# Altium PCB Bran_Main_Assay_PCB_v2.PcbDoc (part 14 of 15)
Units mil, origin at the board's own origin, x right, y up, seen from the top; angles counter-clockwise.
Board outline 3608.46 x 1899.79 mil, 6 copper layers (TOP, GND1, Singal, POWER, GND2, BOTTOM), stack 31.508 mil thick; 363 components, 288 nets, 1386 pads, 975 vias.
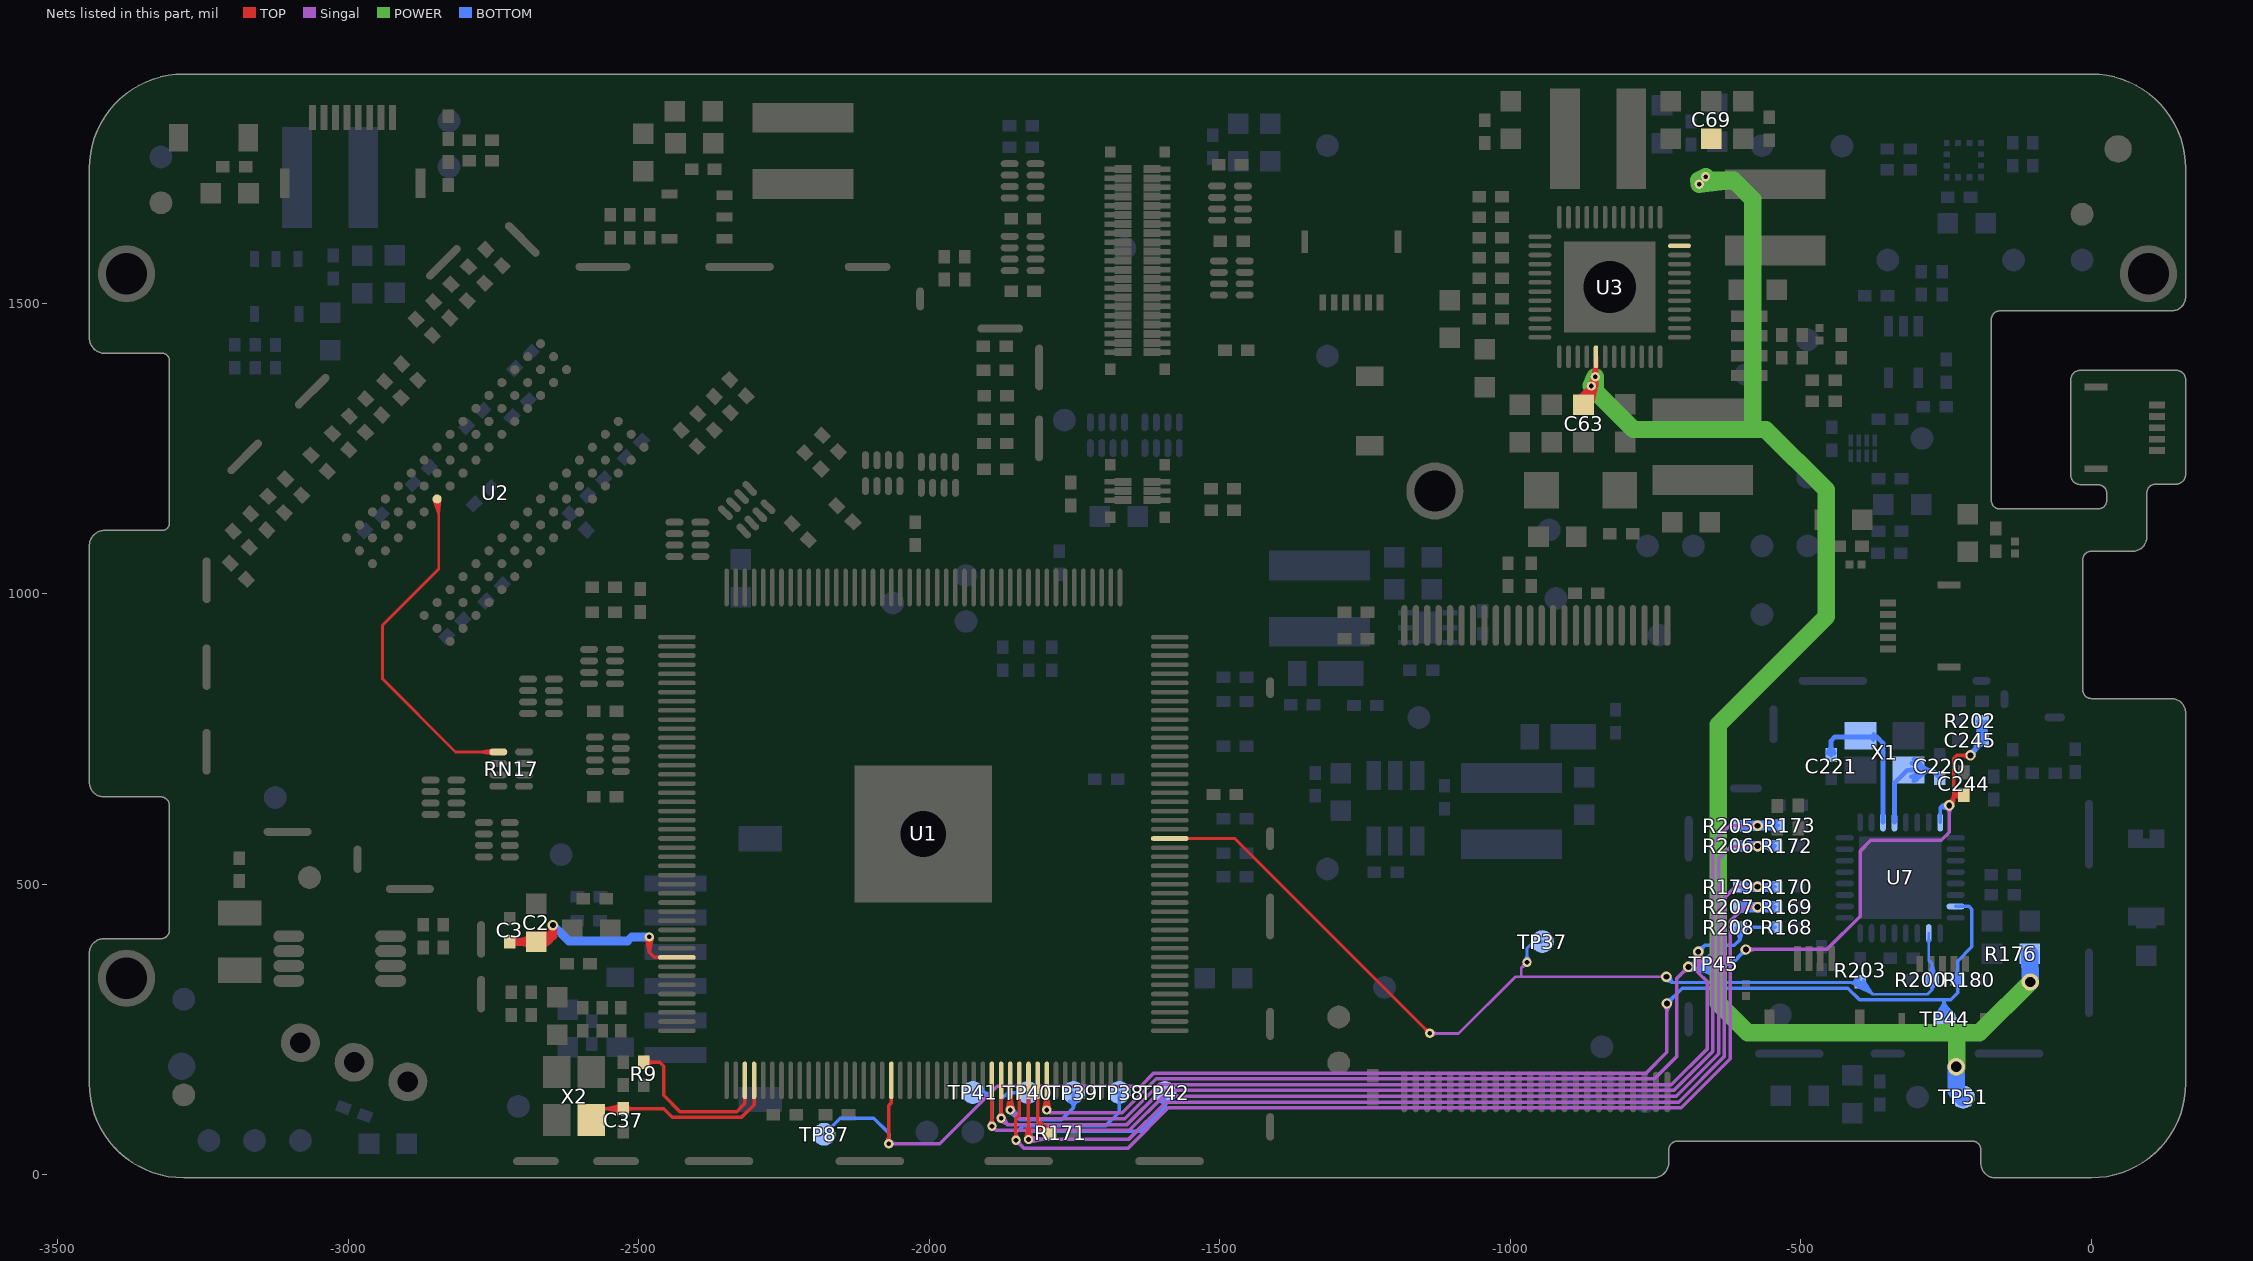
[diagram p18: the nets of this part, all layers, seen from the top]

## Via types
v1: diameter 16, hole 8, TOP to BOTTOM, tented both sides, 431 vias
v2: diameter 18, hole 10, TOP to BOTTOM, tented both sides, 257 vias
v3: diameter 22, hole 12, TOP to BOTTOM, tented both sides, 194 vias
v4: diameter 30, hole 18, TOP to BOTTOM, tented both sides, 69 vias
v5: diameter 24, hole 13, TOP to BOTTOM, tented both sides, 11 vias
v6: diameter 19.68, hole 7.87, TOP to BOTTOM, 9 vias
v7: diameter 22, hole 2, TOP to BOTTOM, tented both sides, 2 vias
v8: diameter 17.99, hole 10, TOP to BOTTOM, tented both sides, 1 vias
v9: diameter 20, hole 10, TOP to BOTTOM, tented both sides, 1 vias

## Nets (pads, with @x,y where several pads share a name; then routed paths per layer and width w, separated by ;. In a path a pad name is that pad's centre, name@x,y a point inside that pad or via, vN(x,y) a via of type N, cw(c..) or ccw(c..) an arc to the next point about the centre after c; other vN are vias at no path point) (continued)
VRP: C2.2 C3.2 U1.80 | length 963.4
  TOP w6: v1@-2487,409.23 -2482.43,383.63 ; v1@-2486.91,408.59 -2482.79,401.32 ; v1@-2486.84,408.3 -2481.97,400.06 ; v1@-2485.55,406.1 cw(c-2493.09,398.56) -2482.43,398.56 ; -2482.43,396.57 cw(c-2468.95,396.57) v1@-2478.48,406.1 ; v1@-2477.4,407.7 -2482.79,401.32 ; v1@-2477.18,408.35 -2481.97,400.06 ; v1@-2477.05,409.07 -2482.43,383.63 ; U1.80@-2463.18,374.32 -2473.44,374.32 ; U1.80@-2434.64,374.32 -2473.44,374.32 ; -2482.79,401.32 v1(-2482.02,409.63) ; -2482.43,383.63 v1(-2482.02,409.63) ; v1(-2482.02,409.63) -2481.97,400.06 ; v1(-2482.02,409.63) -2482.43,409.22 -2482.43,383.31 -2473.44,374.32
  TOP w15: C3.2@-2721.94,401.31 -2676.94,401.31 -2658.63,401.31 ; -2702.06,401.31 ccw(c-2702.06,426.6) C2.2@-2684.17,408.72 ; -2701.16,401.31 cw(c-2701.16,377.27) C2.2@-2684.17,394.27 ; C2.2@-2680.38,411.11 -2694.94,400.49 ; C2.2@-2680.11,391.78 -2695.51,402.17 ; C2.2@-2679.39,411.41 -2695.51,402.17 ; C2.2@-2679.29,391.55 -2694.94,400.49 ; C2.2@-2678.78,411.54 -2647.94,411.99 ; C2.2@-2671.92,392.59 -2647.94,411.99 ; C2.2@-2671.13,409.89 ccw(c-2660.8,424.84) -2647.95,411.99 ; C2.2@-2668.34,395.99 cw(c-2658.63,389.79) -2658.63,401.31 ; C2.2@-2668.17,406.73 ccw(c-2658.63,412.41) -2658.63,401.31 ; -2695.51,402.17 C2.2@-2676.94,401.49 ; -2694.94,400.49 C2.2@-2676.94,401.49 ; C2.2@-2676.94,401.49 -2658.63,401.31 ; C2.2@-2676.94,401.49 -2658.63,401.31 ; C2.2@-2676.94,401.49 -2647.94,411.99 ; -2658.63,401.31 -2674.19,391.65 -2658.63,401.31 ; -2658.63,401.31 -2674,411.27 -2658.63,401.31 ; -2658.63,401.31 -2647.94,411.99 ; -2647.94,411.99 v2(-2647.94,429.99) -2647.94,411.99
  BOTTOM w15: v2(-2647.94,429.99) -2620.5,402.54 -2519.5,402.54 -2512.41,409.63 ; -2512.41,409.63 v1(-2482.02,409.63) -2512.41,409.63
WE: RN17.1 U2.L3 | length 864.2
  TOP w5: U2.L3@-2852.54,1162.29 -2844.43,1137.12 ; U2.L3@-2852.35,1161.63 -2845.2,1149.43 ; U2.L3@-2851.08,1159.61 cw(c-2867.14,1143.55) -2844.43,1143.55 ; U2.L3@-2847.54,1163.15 cw(c-2855.06,1155.63) -2844.43,1155.63 ; U2.L3@-2841.91,1163.18 -2845.2,1149.43 ; U2.L3@-2841.9,1163.44 -2844.43,1137.12 ; RN17.1@-2754,725.56 ccw(c-2759.98,719.58) -2759.98,728.03 ccw(c-2759.98,736.48) RN17.1@-2754,730.51 ; RN17.1@-2752.66,724.72 -2757.79,728.32 ; RN17.1@-2752.66,731.34 -2757.79,727.74 ; RN17.1@-2752.35,724.63 -2757.79,727.74 ; RN17.1@-2752.35,731.43 -2757.79,728.32 ; RN17.1@-2751.82,724.54 -2772.53,728.03 ; RN17.1@-2751.82,731.52 -2772.53,728.03 ; RN17.1@-2742.03,728.03 -2815.55,728.03 -2941.43,853.91 -2941.43,945.92 -2844.43,1042.92 -2844.43,1160.56 U2.L3@-2847.28,1163.41 ; U2.L3@-2847.28,1163.41 -2844.43,1137.12 ; U2.L3@-2847.28,1163.41 -2845.2,1149.43 ; -2772.53,728.03 RN17.1@-2751.53,728.03 ; -2757.79,727.74 RN17.1@-2751.53,728.03 ; -2757.79,728.32 RN17.1@-2751.53,728.03
WI-FI_EN: R180.1 TP44.1 TP87.1 U1.107 U7.7 | length 3321
  TOP w6: v1@-2074.88,55.01 -2070.43,62.78 ; v1@-2073.55,57.37 ccw(c-2082.09,65.91) -2070.02,65.91 ccw(c-2057.94,65.91) v1@-2066.48,57.37 ; U1.107@-2065.55,134.17 -2065.55,123.83 ; U1.107@-2065.55,162.71 -2065.55,123.83 ; v1@-2065.28,55.45 -2070.43,62.78 ; -2070.43,62.78 v1(-2070.02,53.83) -2070.02,119.37 -2065.55,123.83
  Singal w6: v1(-2070.02,53.83) -1982.14,53.83 -1883.14,152.83 -1636.11,152.83 -1613.62,175.33 -766.14,175.33 -730.46,211 v2(-730.46,295) -729.97,284.26 ; v1@-2066.48,50.3 cw(c-2057.94,41.76) -2057.94,53.83 cw(c-2057.94,65.91) v1@-2066.48,57.37 ; v2@-736.14,293.06 -729.97,284.26 ; v2@-734.71,290.76 cw(c-744.95,280.51) -730.46,280.51 cw(c-715.98,280.51) v2@-726.22,290.76 ; v2@-724.63,293.59 -729.97,284.26
  BOTTOM w6: TP87.1@-2181.1,69.97 -2153.53,97.54 -2095.49,97.54 -2070.02,72.06 v1(-2070.02,53.83) ; v1@-2074.88,55.01 -2070.43,62.78 ; v1@-2073.55,57.37 ccw(c-2082.09,65.91) -2070.02,65.91 ccw(c-2057.94,65.91) v1@-2066.48,57.37 ; v1@-2070.02,51.74 v1(-2070.02,53.83) ; v1@-2065.28,55.45 -2070.43,62.78 ; v2(-730.46,295) -703.96,321.5 -418.96,321.5 -398.96,301.5 -253.46,301.5 ; v2@-730.46,301 ccw(c-730.46,315.49) -720.22,305.24 ccw(c-709.98,295) v2@-724.46,295 ; TP44.1@-268.24,271.39 -254.92,292.5 ; TP44.1@-267.25,274.4 -250.95,290.85 ; TP44.1@-263.04,280.2 ccw(c-281.94,301.5) -253.46,301.5 ; TP44.1@-262.6,268.75 -254.92,292.5 ; TP44.1@-262.25,270.64 -250.95,290.85 ; TP44.1@-259.06,275.71 ccw(c-270.1,288.15) -253.46,288.15 ; TP44.1@-256.65,267.6 -254.92,292.5 ; TP44.1@-256.6,268.39 -250.95,290.85 ; -253.46,290.35 ccw(c-237.03,290.35) TP44.1@-246.08,276.63 ; TP44.1@-252.46,256.4 TP44.1@-251.97,255.91 ; TP44.1@-247.39,268.71 -254.92,292.5 ; TP44.1@-247.29,267.99 -250.95,290.85 ; TP44.1@-242.78,281.64 cw(c-229.67,301.5) -253.46,301.5 ; TP44.1@-241.88,271.22 -254.92,292.5 ; TP44.1@-241.47,269.72 -250.95,290.85 ; TP44.1@-237.01,275.12 -254.92,292.5 ; R180.1@-236.8,334.39 -230.71,323.76 ; R180.1@-236.8,337.61 -230.71,348.24 ; R180.1@-236.63,333.79 -229.59,323.76 ; R180.1@-236.63,338.21 -229.59,348.24 ; TP44.1@-236.15,273.04 -250.95,290.85 ; R180.1@-234.99,331.16 cw(c-246.67,319.48) -230.15,319.48 cw(c-213.63,319.48) R180.1@-225.31,331.16 ; R180.1@-234.99,340.84 ccw(c-246.67,352.52) -230.15,352.52 ccw(c-213.63,352.52) R180.1@-225.31,340.84 ; U7.7@-233.54,462.09 -210.56,462.09 ; R180.1@-223.67,333.79 -230.71,323.76 ; R180.1@-223.67,338.21 -230.71,348.24 ; R180.1@-223.5,334.39 -229.59,323.76 ; R180.1@-223.5,337.61 -229.59,348.24 ; U7.7@-222.72,462.09 -210.56,462.09 ; -2070.43,62.78 v1(-2070.02,53.83) ; -254.92,292.5 TP44.1@-251.97,267.72 ; -253.46,301.5 -241.96,301.5 -230.15,313.32 R180.1@-230.15,336 ; -253.46,301.5 -253.46,269.21 TP44.1@-251.97,267.72 ; TP44.1@-251.97,267.72 -250.95,290.85 ; -230.71,323.76 R180.1@-230.15,336 ; -230.71,348.24 R180.1@-230.15,336 ; R180.1@-230.15,336 -229.59,348.24 ; R180.1@-230.15,336 -229.59,323.76 ; R180.1@-230.15,336 -230.15,367.99 -205.46,392.68 -205.46,457 -210.56,462.09
WIFI_3V3: C63.2 C69.2 R176.1 TP51.1 U3.11 U3.41 | length 4379.8
  TOP w8: C63.2@-879.24,1328.12 -865.82,1351.36 ; C63.2@-878.43,1329.52 v1(-860.94,1357.99) ; C63.2@-873.44,1327.59 v1(-860.94,1357.99) ; C63.2@-872.45,1339.87 ccw(c-890.57,1357.99) v1@-864.94,1357.99 ; C63.2@-868.85,1328.26 cw(c-854.2,1335.2) -865.66,1346.66 ; C63.2@-868.42,1324.65 -865.82,1351.36 ; -868.38,1345.18 v1(-860.94,1357.99) ; C63.2@-868.26,1326.24 v1(-860.94,1357.99) ; v1@-863.17,1354.67 cw(c-866,1350.42) -861.58,1347.86 ; -862.88,1345.6 v1(-860.94,1357.99) ; v1@-861.89,1361.88 ccw(c-864.86,1373.99) v1@-852.39,1373.99 ; C63.2@-861.62,1331.68 cw(c-843.31,1340.36) v1@-857.64,1354.68 ; v1@-859.99,1354.11 ccw(c-862.36,1363.8) -852.39,1363.8 ; v1@-856.77,1376.82 ccw(c-867.37,1387.41) -852.39,1387.41 ; -852.9,1383.54 v1(-853.94,1373.99) ; U3.41@-852.64,1408.23 -852.39,1407.98 v1@-852.39,1373.99 ; U3.41@-852.39,1392.75 v1(-860.94,1357.99) ; U3.41@-852.39,1406.08 v1(-853.94,1373.99) ; C63.2@-874.02,1325.81 v1(-860.94,1357.99) ; C63.2@-874.02,1325.81 -852.39,1359.94 ; C63.2@-874.02,1325.81 -865.82,1351.36 ; C63.2@-874.02,1325.81 C63.2@-874.02,1338.31 ; C63.2@-874.02,1338.31 v1@-857.64,1354.68 ; C63.2@-874.02,1338.31 v1(-860.94,1357.99) ; -865.82,1351.36 -860.32,1325.09 v1(-860.94,1357.99) ; -865.82,1351.36 -885.57,1333.2 v1(-860.94,1357.99) ; v1(-860.94,1357.99) -852.39,1359.94 ; v1(-860.94,1357.99) -868.98,1323.1 -852.39,1359.94 ; v1(-860.94,1357.99) -852.39,1359.94 ; v1(-860.94,1357.99) -878.62,1329.2 -852.39,1359.94 ; v1(-860.94,1357.99) -852.39,1359.94 ; v1(-860.94,1357.99) -861.35,1320.54 -852.39,1359.94 ; v1(-860.94,1357.99) -852.39,1359.94 ; v1(-860.94,1357.99) -884.19,1335.01 -852.39,1359.94 ; v1(-860.94,1357.99) -852.39,1359.94 ; v1(-860.94,1357.99) v1(-853.94,1373.99) ; v1(-860.94,1357.99) -852.39,1364.54 ; v1(-860.94,1357.99) v1(-853.94,1373.99) ; v1(-860.94,1357.99) -852.39,1359.94 ; v1(-860.94,1357.99) v1(-853.94,1373.99) ; v1(-860.94,1357.99) -852.9,1364.45 v1(-853.94,1373.99) ; v1(-860.94,1357.99) U3.41@-852.64,1392.48 ; v1(-860.94,1357.99) -852.39,1364.54 ; v1(-860.94,1357.99) -852.39,1359.94 ; v1(-860.94,1357.99) -852.39,1359.94 ; v1(-860.94,1357.99) -856.77,1371.16 cw(c-867.37,1360.57) -852.39,1360.57 v1(-860.94,1357.99) ; v1@-857.64,1354.68 -852.39,1359.94 ; v1(-853.94,1373.99) U3.41@-852.64,1392.48 ; v1(-853.94,1373.99) -852.39,1364.54 ; v1(-853.94,1373.99) -852.39,1359.94 ; U3.41@-852.64,1392.48 -852.39,1364.54 ; -852.39,1359.94 v1@-852.39,1373.99
  POWER w30: v4@-231.94,184.99 -231.94,186 -231.94,244.83 ; -184.1,253.36 v4(-105.46,332) -192.64,244.83 -231.94,244.83 ; v1(-860.94,1357.99) -853.94,1348.99 ; v1(-860.94,1357.99) -853.94,1348.99 ; v1(-860.94,1357.99) v1(-853.94,1373.99) ; v1(-860.94,1357.99) -853.94,1348.99 ; v1(-860.94,1357.99) v1(-853.94,1373.99) ; -853.94,1348.99 -853.94,1357.99 v1(-853.94,1373.99) ; -853.94,1348.99 v1(-853.94,1373.99) ; -853.94,1348.99 -787.95,1283 -577.46,1283 ; -615.27,1711.81 -663.94,1711.81 -674.94,1711.81 -675.76,1711.81 v1(-663.94,1717.99) v1(-674.94,1704.99) -615.27,1711.81 ; -615.27,1711.81 -582.46,1679 -582.46,1288 -577.46,1283 ; -577.46,1283 -560.46,1283 -456.46,1179 -456.46,961 -642.46,775 -642.46,295.82 -591.48,244.83 -231.94,244.83
  BOTTOM w30: v4(-232.46,186) -232.46,144.95 -220.92,133.41 TP51.1@-220.47,132.96 ; R176.1@-105.96,381 v4(-105.46,332) R176.1@-105.96,381
WL-RESTN: C244.2 C245.1 R202.1 TP45.1 U1.124 U7.32 | length 5446.5
  TOP w6: v1@-1802.81,112.21 -1797.83,137.73 v1@-1792.85,112.21 ; v1@-1802.8,112.29 U1.124@-1797.83,134.17 ; v1@-1802.69,112.91 -1798.24,120.68 ; v1@-1802.56,113.35 -1797.42,120.68 ; v1@-1801.36,115.27 ccw(c-1809.9,123.8) -1797.83,123.8 ccw(c-1785.76,123.8) v1@-1794.29,115.27 ; v1@-1797.83,112.23 U1.124@-1797.83,134.17 ; U1.124@-1797.83,162.71 v1(-1797.83,111.73) ; v1@-1793.1,113.35 -1798.24,120.68 ; v1@-1792.97,112.91 -1797.42,120.68 ; v1@-1792.86,112.29 U1.124@-1797.83,134.17 ; v2@-246.01,641.8 ccw(c-249.06,653.31) -237.15,653.31 ; v2@-242.89,641.79 ccw(c-241.33,647.5) -237.15,643.31 ; v2@-238.68,637.58 cw(c-232.97,639.13) -237.15,643.31 ; -237.15,645.51 cw(c-246.99,645.51) v2(-244.46,636) -237.15,643.31 ; C244.2@-224.3,648.48 ccw(c-235.98,636.8) -235.98,653.31 ccw(c-235.98,669.83) C244.2@-224.3,658.15 ; C244.2@-221.67,646.84 -231.71,653.88 ; C244.2@-221.67,659.79 -231.71,652.75 ; C244.2@-221.07,646.66 -231.71,652.75 ; C244.2@-221.07,659.97 -231.71,653.88 ; C244.2@-220.79,646.6 -237.15,653.31 ; C244.2@-220.79,660.03 -237.15,653.31 ; v2@-212.19,717.75 ccw(c-222.43,707.51) -222.43,721.99 ccw(c-222.43,736.48) v2@-212.19,726.23 ; v2@-209.88,727.67 -218.68,721.5 ; v2@-209.35,716.16 -218.68,721.5 ; -1798.24,120.68 v1(-1797.83,111.73) ; v1(-1797.83,111.73) -1797.42,120.68 ; v1(-1797.83,111.73) U1.124@-1797.83,134.17 ; -237.15,643.31 -237.15,653.31 ; -237.15,653.31 C244.2@-219.46,653.31 ; -237.15,653.31 -237.15,716.31 -231.47,721.99 v2(-207.94,721.99) -218.68,721.5 ; -237.15,653.31 C244.2@-219.46,653.31 ; -231.71,652.75 C244.2@-219.46,653.31 ; -231.71,653.88 C244.2@-219.46,653.31
  Singal w6: v1(-1797.83,111.73) -1792.83,106.73 -1668.07,106.73 -1609.48,165.33 -751.94,165.33 -713.94,203.33 -713.94,337.52 v2(-693.46,358) ; v2@-699.46,358 cw(c-713.95,358) -703.71,347.76 cw(c-693.46,337.51) v2@-693.46,352 ; v2(-594.46,388) -455.29,388 -397.96,445.33 -397.96,557.5 -379.46,576 -258.46,576 -244.46,590 v2(-244.46,636) -243.97,625.26 ; v2@-590.22,383.76 cw(c-579.98,373.51) -579.98,388 cw(c-579.98,402.49) v2@-590.22,392.24 ; v2@-250.14,634.06 -243.97,625.26 ; v2@-248.71,631.76 cw(c-258.95,621.51) -244.46,621.51 cw(c-229.98,621.51) v2@-240.22,631.76 ; v2@-238.63,634.59 -243.97,625.26
  BOTTOM w6: v2@-695.46,358 v2(-693.46,358) ; v2@-694.67,363.88 TP45.1@-666.79,366.55 ; v2@-694.38,352.07 -666.66,350.85 ; v2@-694.16,363.96 -673.56,363.33 ; v2@-693.9,363.98 TP45.1@-666.53,362.98 ; v2@-693.6,352 TP45.1@-666.49,354.38 ; v2@-693.61,364 -683.22,361.26 ; v2@-693.32,364 TP45.1@-666.47,360.33 ; v2@-693.06,363.99 -682.97,360.3 ; v2@-692.86,352.03 TP45.1@-666.46,357.74 ; v2@-692.8,352.04 -666.46,358 v2@-692.8,363.96 ; v2@-692.74,363.96 TP45.1@-666.46,357.74 ; v2@-692.29,352.12 TP45.1@-666.47,360.33 ; v2@-692.06,352.17 -682.73,357.51 ; v2@-692.06,363.83 -682.73,358.49 ; v2@-692.02,363.82 TP45.1@-666.49,354.38 ; v2@-691.73,352.26 TP45.1@-666.53,362.98 ; v2@-691.53,352.32 -682.73,358.49 ; v2@-691.53,363.68 -682.73,357.51 ; v2@-691.3,363.6 -666.66,350.85 ; v2@-691.08,352.49 -673.56,363.33 ; v2@-691.03,352.52 TP45.1@-666.79,366.55 ; v2@-690.59,352.73 -682.97,360.3 ; v2@-690.46,363.2 ccw(c-683.22,375.74) -679.47,361.75 ; v2@-690.12,353.02 -683.22,361.26 ; v2@-689.22,353.76 cw(c-678.98,343.51) -678.98,358 cw(c-678.98,372.49) v2@-689.22,362.24 ; v2@-688.27,355 cw(c-675.73,347.76) -679.47,361.75 ; -680.87,358 ccw(c-680.87,387.57) TP45.1@-657.9,368.94 ; -679.74,358 cw(c-679.74,332.07) TP45.1@-661.4,350.41 ; TP45.1@-662.56,372.72 cw(c-693.46,397.8) v2(-693.46,358) ; TP45.1@-658.6,376.26 -673.03,357.12 ; TP45.1@-657.91,376.68 -670.3,359.95 ; TP45.1@-655.14,377.94 -679.24,360.63 ; TP45.1@-655.04,377.98 v2@-687.46,358 ; TP45.1@-654.6,346.28 -670.3,359.95 ; TP45.1@-654.15,371.88 -673.03,357.12 ; TP45.1@-653.44,345.97 -679.24,360.63 ; TP45.1@-653.45,372.17 -670.3,359.95 ; TP45.1@-652.26,372.55 v2@-687.46,358 ; TP45.1@-652.09,372.6 -679.24,360.63 ; TP45.1@-651.96,345.69 -673.03,357.12 ; TP45.1@-651.44,345.62 v2@-687.46,358 ; TP45.1@-651.22,351.64 -670.3,359.95 ; TP45.1@-651.04,366.66 -673.03,357.12 ; TP45.1@-650.97,351.61 -679.24,360.63 ; TP45.1@-650.63,366.78 -670.3,359.95 ; TP45.1@-650.41,366.82 v2@-687.46,358 ; TP45.1@-650.22,366.85 -679.24,360.63 ; TP45.1@-649.93,351.52 v2@-687.46,358 ; TP45.1@-649.73,357.52 -679.24,360.63 ; TP45.1@-649.72,351.52 -673.03,357.12 ; TP45.1@-649.63,357.52 -670.3,359.95 ; TP45.1@-649.38,357.53 v2@-687.46,358 ; TP45.1@-649.06,357.55 -673.03,357.12 ; v2@-600.46,388 cw(c-614.95,388) -604.71,377.76 cw(c-594.46,367.51) v2@-594.46,382 ; v2(-594.46,388) -620.26,362.2 TP45.1@-649.61,362.2 ; U7.32@-260.12,606.78 -260.12,632.35 ; U7.32@-260.12,617.61 -260.12,632.35 ; v2@-249.26,632.4 ccw(c-256.46,627) -256.46,636 ; v2@-249.26,639.6 cw(c-256.46,645) -256.46,636 ; v2@-246.89,641.49 -260.12,632.35 ; v2@-244.22,630.01 -260.12,632.35 ; v2@-212.28,726.14 -202.9,731.59 ; v2@-209.5,727.79 ccw(c-213.3,741.99) -200.57,734.64 ; v2@-207.94,727.99 ccw(c-207.94,742.48) -197.7,732.23 ccw(c-187.46,721.99) v2@-201.94,721.99 ; v2@-207.77,722.17 ccw(c-233.59,747.99) C245.1@-197.07,747.99 ; v2@-202.15,723.54 cw(c-188.37,727.24) -200.72,734.37 ; v2@-202.07,720.78 -202.9,731.59 ; -197.52,732.41 ccw(c-213.1,747.99) C245.1@-191.07,747.99 ; C245.1@-197.07,747.99 R202.1@-193.67,775.68 ; C245.1@-197.07,748.22 -194.02,736.98 ; C245.1@-196.5,750.74 -201.96,729.73 ; R202.1@-195.05,781.15 C245.1@-188.26,754.15 ; C245.1@-194.91,749.6 -188.82,760.24 ; R202.1@-194.91,780.39 -188.82,769.75 ; C245.1@-194.74,750.2 -187.7,760.24 ; R202.1@-194.74,779.78 -187.7,769.75 ; C245.1@-193.1,752.83 ccw(c-204.78,764.51) -188.26,764.51 ccw(c-171.74,764.51) C245.1@-183.42,752.83 ; R202.1@-193.1,777.15 cw(c-204.78,765.47) -188.26,765.47 cw(c-171.74,765.47) R202.1@-183.42,777.15 ; C245.1@-192.93,749.66 R202.1@-182.85,775.68 ; C245.1@-186.29,747.99 R202.1@-182.85,775.68 ; C245.1@-185.13,743.43 -201.96,729.73 ; C245.1@-184.7,743.96 -194.02,736.98 ; C245.1@-183.59,749.66 R202.1@-193.67,775.68 ; C245.1@-181.78,750.2 -188.82,760.24 ; R202.1@-181.78,779.78 -188.82,769.75 ; C245.1@-181.61,749.6 -187.7,760.24 ; R202.1@-181.61,780.39 -187.7,769.75 ; R202.1@-181.47,781.15 C245.1@-188.26,754.15 ; C245.1@-179.45,747.99 R202.1@-182.85,775.68 ; v2(-693.46,358) TP45.1@-666.79,366.55 ; v2(-693.46,358) -673.56,363.33 ; v2(-693.46,358) TP45.1@-666.47,360.33 ; v2(-693.46,358) TP45.1@-666.53,362.98 ; v2(-693.46,358) TP45.1@-666.46,357.74 ; v2(-693.46,358) TP45.1@-666.49,354.38 ; v2(-693.46,358) -666.66,350.85 ; v2(-693.46,358) -683.22,361.26 ; v2(-693.46,358) -682.97,360.3 ; v2(-693.46,358) -682.73,358.49 ; v2(-693.46,358) -682.73,357.51 ; v2(-693.46,358) -653.81,358 TP45.1@-649.61,362.2 ; v2@-687.46,358 TP45.1@-649.61,362.2 ; -679.24,360.63 TP45.1@-649.61,362.2 ; -673.03,357.12 TP45.1@-649.61,362.2 ; -670.3,359.95 TP45.1@-649.61,362.2 ; -260.12,632.35 v2(-244.46,636) ; -260.12,632.35 -256.46,636 ; -256.46,636 v2(-244.46,636) ; -256.46,636 -245.96,641.81 -256.46,636 ; -256.46,636 -245.96,630.19 -256.46,636 ; -256.46,636 v2(-244.46,636) ; -256.46,636 v2(-244.46,636) ; -202.9,731.59 v2(-207.94,721.99) -188.26,741.68 C245.1@-188.26,747.99 ; -201.96,729.73 C245.1@-190.23,747.99 ; -194.02,736.98 C245.1@-190.23,747.99 ; R202.1@-193.67,775.68 C245.1@-190.23,747.99 ; -188.82,760.24 C245.1@-188.26,747.99 ; -188.82,769.75 R202.1@-188.26,781.99 ; C245.1@-188.26,747.99 R202.1@-188.26,775.83 ; C245.1@-188.26,747.99 -187.7,760.24 ; C245.1@-188.26,747.99 R202.1@-188.26,781.99 ; C245.1@-188.26,754.15 R202.1@-188.26,781.99 ; R202.1@-188.26,775.83 -181.47,748.83 R202.1@-188.26,775.83 ; R202.1@-188.26,775.83 -195.05,748.83 R202.1@-188.26,775.83 ; R202.1@-188.26,781.99 -187.7,769.75
WL-SDIO-CLK: R171.1 U1.123 | length 272.8
  TOP w6: -1813.58,112.23 U1.123@-1813.58,134.17 ; U1.123@-1813.58,162.71 -1813.58,92.43 ; -1808.19,87.04 cw(c-1823.23,72) R171.1@-1801.96,72 ; -1803.44,82.29 ccw(c-1795.12,90.61) R171.1@-1795.12,78.84 ; R171.1@-1801.13,68.73 -1804.81,82.64 ; R171.1@-1800.73,68.08 -1813.58,92.43 ; R171.1@-1793.15,72 -1813.58,92.43 ; R171.1@-1791.3,77.68 -1804.81,82.64 ; R171.1@-1790.65,77.18 -1813.58,92.43 ; -1813.58,92.43 -1795.12,72 -1804.81,82.64
WL-SDIO-CMD: R170.1 R179.2 TP42.1 U1.122 | length 3566.8
  TOP w6: v1@-1834.31,61.48 -1829.33,87 v1@-1824.35,61.48 ; v1@-1834.19,62.17 -1829.74,69.95 ; v1@-1834.06,62.61 -1828.92,69.95 ; -1829.46,112.23 U1.122@-1829.33,134.17 ; v1@-1829.33,59.86 v1(-1829.33,61) ; U1.122@-1829.33,162.71 -1829.46,162.58 -1829.46,93.86 -1829.33,93.73 v1(-1829.33,61) ; v1@-1825.79,64.54 cw(c-1817.26,73.07) -1829.33,73.07 cw(c-1841.4,73.07) -1832.86,64.54 v1(-1829.33,61) ; v1@-1824.6,62.61 -1829.74,69.95 ; v1@-1824.47,62.17 -1828.92,69.95 ; -1829.74,69.95 v1(-1829.33,61) ; v1(-1829.33,61) -1828.92,69.95
  Singal w6: v1@-1828.85,56.02 -1803.33,61 v1@-1828.85,65.98 ; v1@-1828.15,56.14 -1820.38,60.59 ; v1@-1828.15,65.86 -1820.38,61.41 ; v1@-1827.71,56.27 -1820.38,61.41 ; v1@-1827.71,65.73 -1820.38,60.59 ; v1@-1825.79,57.46 cw(c-1817.26,48.93) -1817.26,61 cw(c-1817.26,73.07) v1@-1825.79,64.54 ; v2@-578.71,491.76 ccw(c-588.95,481.51) -588.95,496 ccw(c-588.95,510.49) v2@-578.71,500.24 ; v2@-576.4,501.68 -585.2,495.51 ; v2@-575.87,490.17 -585.2,495.51 ; v1(-1829.33,61) -1820.38,61.41 ; v1(-1829.33,61) -1820.38,60.59 ; v1(-1829.33,61) -1657.24,61 -1592.91,125.33 -710.28,125.33 -631.46,204.14 -631.46,477 -612.46,496 v2(-574.46,496) -585.2,495.51
  BOTTOM w6: v1@-1833.85,63.14 -1825.46,75 ; v1@-1832.37,64.97 ccw(c-1837.1,71.14) -1829.33,71.14 ; v1@-1830.06,60.32 cw(c-1824.63,65.36) -1829.87,70.6 ; v1@-1826.29,64.97 cw(c-1821.55,71.14) -1829.33,71.14 ; v1@-1825.66,64.4 cw(c-1820.06,69.6) -1825.46,75 ; v1@-1824.35,60.52 -1825.46,75 ; TP42.1@-1601.48,126.58 cw(c-1606.51,115.66) -1594.49,115.66 ; TP42.1@-1594.49,141.73 -1594.49,115.66 ; TP42.1@-1587.5,126.58 ccw(c-1582.46,115.66) -1594.49,115.66 ; R179.2@-604.78,496.31 -574.46,496.31 R170.1@-543.7,496.31 ; R179.2@-601.97,489.52 v2@-574.97,496.31 ; R179.2@-601.97,503.1 v2@-574.97,496.31 ; R179.2@-601.2,489.66 -590.57,495.74 ; R179.2@-601.2,502.96 -590.57,496.87 ; R179.2@-600.6,489.83 -590.57,496.87 ; R179.2@-600.6,502.78 -590.57,495.74 ; R179.2@-597.97,491.47 cw(c-586.29,479.79) -586.29,496.31 cw(c-586.29,512.83) R179.2@-597.97,501.15 ; -589.69,496.31 cw(c-589.69,480.77) v2@-578.71,491.76 ; -588.21,496.31 ccw(c-588.21,509.74) v2@-578.71,500.24 ; v2@-576.63,490.41 -584.73,496.76 ; v2@-576.47,501.65 R179.2@-600.99,489.76 ; v2@-576.18,501.75 -585.67,495.78 ; v2@-575.96,490.19 -585.67,495.78 ; v2@-575.78,501.85 -584.73,496.76 ; v2@-575.16,490.04 R170.1@-547.91,489.87 ; v2@-573.15,501.85 -564.2,496.76 ; v2@-572.97,490.19 -563.26,495.78 ; v2@-572.74,501.75 -563.26,495.78 ; v2@-572.48,501.66 R170.1@-547.91,489.87 ; v2@-572.29,490.41 -564.2,496.76 ; v2@-570.22,491.76 cw(c-559.24,480.77) -559.24,496.31 ; v2@-570.22,500.24 ccw(c-560.72,509.74) -560.72,496.31 ; R170.1@-550.51,491.47 ccw(c-562.19,479.79) -562.19,496.31 ccw(c-562.19,512.83) R170.1@-550.51,501.15 ; R170.1@-547.88,489.83 -557.91,496.87 ; R170.1@-547.88,502.78 -557.91,495.74 ; R170.1@-547.28,489.66 -557.91,495.74 ; R170.1@-547.28,502.96 -557.91,496.87 ; R170.1@-546.51,489.52 v2@-573.51,496.31 ; R170.1@-546.51,503.1 v2@-573.51,496.31 ; v1(-1829.33,61) -1829.33,71.14 ; v1(-1829.33,61) -1825.46,75 ; v1(-1829.33,61) -1829.33,71.14 ; -1829.33,71.14 -1824.48,62.23 -1829.33,71.14 ; -1829.33,71.14 -1834.17,62.23 -1829.33,71.14 ; -1829.33,71.14 -1825.46,75 ; -1825.46,75 -1635.46,75 -1594.8,115.66 -1594.49,115.66 ; R179.2@-602.81,496.31 v2@-574.97,496.31 ; R179.2@-602.81,496.31 -590.57,496.87 ; R179.2@-602.81,496.31 -590.57,495.74 ; R179.2@-601.47,496.31 v2(-574.46,496) ; R179.2@-601.47,496.31 -575.06,501.97 R179.2@-601.47,496.31 ; R179.2@-601.47,496.31 -575.2,490.05 R179.2@-601.47,496.31 ; R179.2@-601.47,496.31 v2(-574.46,496) ; R179.2@-600.99,489.76 v2(-574.46,496) ; R179.2@-600.99,489.76 v2@-573.74,490.04 ; -585.67,495.78 v2(-574.46,496) ; -584.73,496.76 v2(-574.46,496) ; v2(-574.46,496) R170.1@-547.46,496.31 ; v2(-574.46,496) R170.1@-547.46,496.31 ; v2(-574.46,496) R170.1@-547.91,489.87 ; v2(-574.46,496) -564.2,496.76 ; v2(-574.46,496) -563.26,495.78 ; v2@-573.73,490.05 R170.1@-547.46,496.31 ; v2@-573.73,490.05 R170.1@-547.46,496.31 ; v2@-573.51,496.31 R170.1@-545.67,496.31 ; -557.91,495.74 R170.1@-545.67,496.31 ; -557.91,496.87 R170.1@-545.67,496.31 ; R170.1@-547.46,496.31 -573.87,501.97 R170.1@-547.46,496.31